# Altium PCB Adafruit Feather STM32F405 Express.PcbDoc
Units mil, origin at the board's own origin, x right, y up, seen from the top; angles counter-clockwise.
Board outline 2000 x 900 mil, 2 copper layers (Top, Bottom); 61 components, 62 nets, 270 pads, 83 vias.
Unrouted connection lines stored in the file: 1.
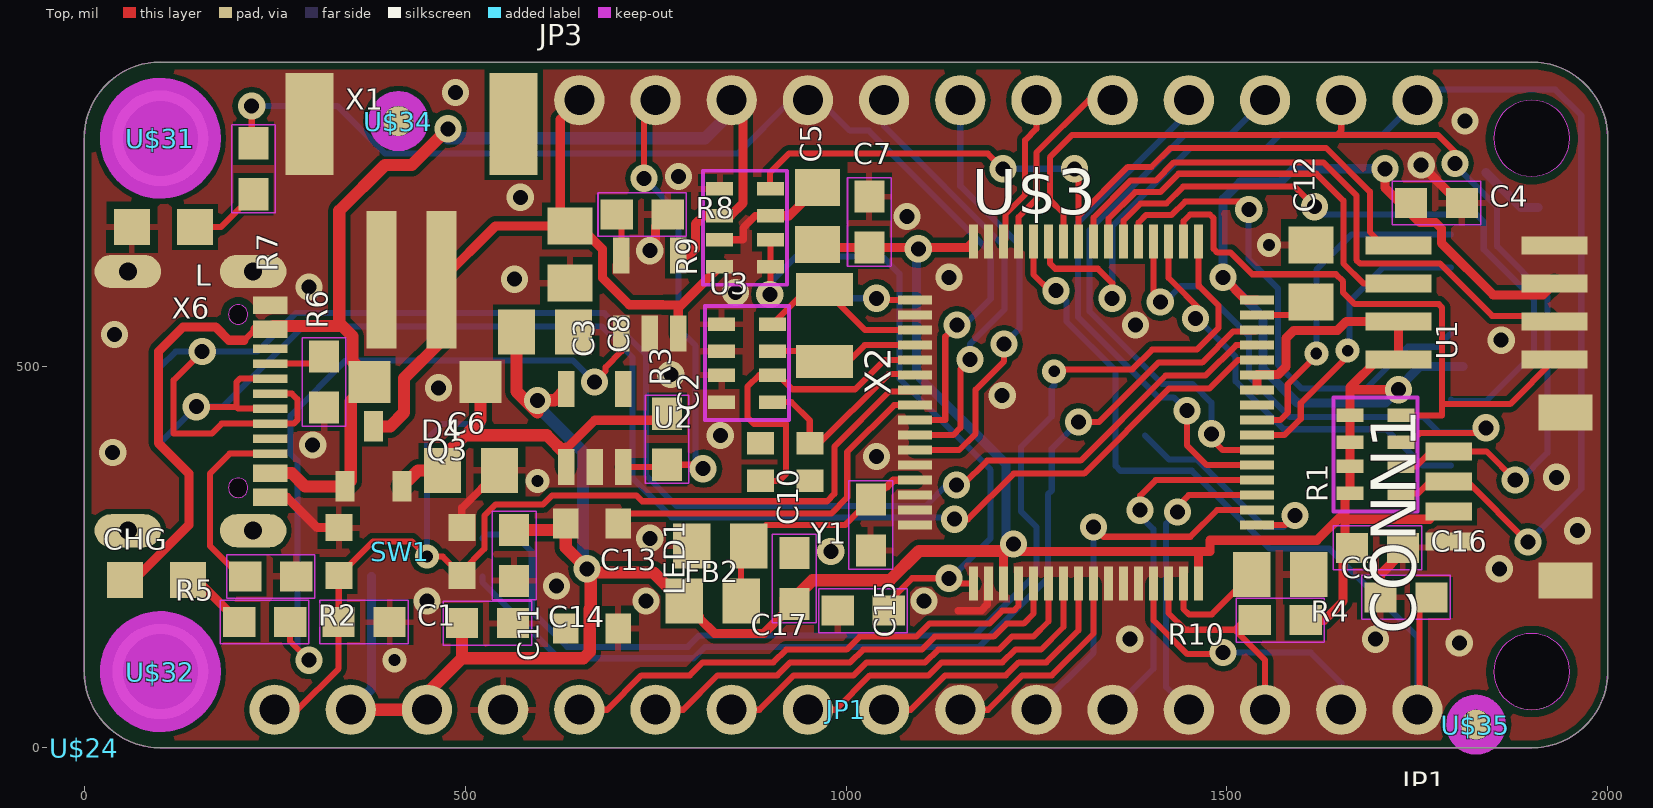
[diagram p0: Top view]
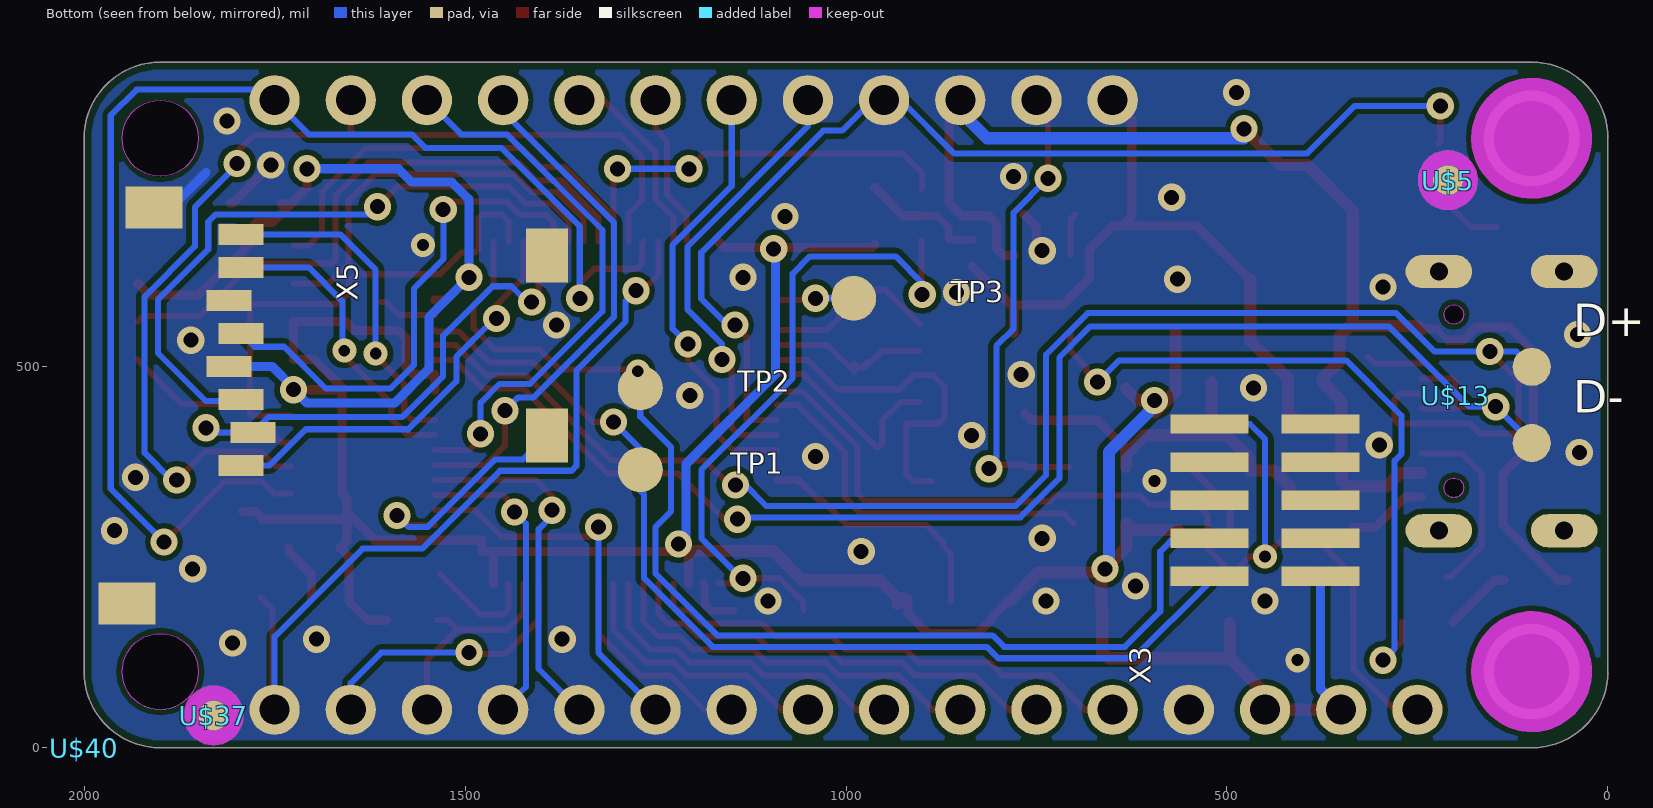
[diagram p1: Bottom view, seen from below]

## Layer stack, top to bottom
Top Solder: solder mask 0.4, Solder Resist, Dk 3.5
Top: signal copper 1.378
Dielectric 1: dielectric 12.6, FR-4, Dk 4.8
Bottom: signal copper 1.378
Bottom Solder: solder mask 0.4, Solder Resist, Dk 3.5

## Board outline
0,100 ccw(c100,100) 100,0 1900,0 ccw(c1900,100) 2000,100 2000,800 ccw(c1900,800) 1900,900 100,900 ccw(c100,800) 0,800
cut-out: 1900,50 ccw(c1900,100) 1950,100 ccw(c1900,100) 1900,150 ccw(c1900,100) 1850,100 ccw(c1900,100)
cut-out: 1900,750 ccw(c1900,800) 1950,800 ccw(c1900,800) 1900,850 ccw(c1900,800) 1850,800 ccw(c1900,800)
cut-out: 202.24,555.99 ccw(c202.24,568.78) 215.03,568.78 ccw(c202.24,568.78) 202.24,581.58 ccw(c202.24,568.78) 189.44,568.78 ccw(c202.24,568.78)
cut-out: 202.24,328.43 ccw(c202.24,341.22) 215.03,341.22 ccw(c202.24,341.22) 202.24,354.01 ccw(c202.24,341.22) 189.44,341.22 ccw(c202.24,341.22)

## Design rules (kind name [scope] priority, off if disabled: settings)
BoardOutlineClearance mdCopperDimension [All] p1: gap=10 ignorepadtopadclearanceinfootprint=FALSE except(0: Arc-SplitContinuation Track-SplitContinuation SMDPad-SplitContinuation THPad-SplitContinuation Via-SplitContinuation Fill-SplitContinuation Poly-SplitContinuation Region-SplitContinuation Text-SplitContinuation)
Clearance "Clearance (Same Net)" [All] p1: gap=7 ignorepadtopadclearanceinfootprint=FALSE
Clearance [All] p2: gap=7 ignorepadtopadclearanceinfootprint=FALSE
HoleSize HoleSize_For_NetClass_gnd [InNetClass('gnd')] p1: absolutevalues=TRUE maxlimit=0 minlimit=0 maxpercent=80.000 minpercent=20.000
HoleSize HoleSize_For_NetClass_power [InNetClass('power')] p2: absolutevalues=TRUE maxlimit=0 minlimit=0 maxpercent=80.000 minpercent=20.000
HoleSize [All] p3: absolutevalues=TRUE maxlimit=100000 minlimit=15.5 maxpercent=80.000 minpercent=20.000
HoleToHoleClearance mdDrill [All] p1: gap=8 allowstackedmicrovias=TRUE
MinimumSolderMaskSliver [All] p1 off: minsoldermaskwidth=10
PasteMaskExpansion Expansion_SMDPaste_OFF [InPadClass('SMDPaste_OFF')] p1: expansion=0
PasteMaskExpansion mlMinCreamFrame [All] p2: expansion=0
PolygonConnect PolygonConnect_For_PolygonThermal_ON_Width80000_Gap100000 [InPolygonClass('PolygonThermal_ON_Width80000_Gap100000') vs Not IsVia] p1: connectstyle=Relief reliefconductorwidth=8 reliefentries=4 polygonreliefangle="90 Angle" airgapwidth=10
PolygonConnect ThermalVias [IsVia] p2: connectstyle=Direct reliefconductorwidth=10 reliefentries=4 polygonreliefangle="90 Angle" airgapwidth=10
PolygonConnect [All] p3: connectstyle=Relief reliefconductorwidth=10 reliefentries=4 polygonreliefangle="90 Angle" airgapwidth=10
RoutingVias [All] p1: holewidth=15.5 width=31.5 viastyle="Through Hole" minholewidth=15.5 minwidth=31.5 maxholewidth=100 maxwidth=100
SolderMaskExpansion mlMinStopFrame [All] p1: expansion=2 istentingtop=FALSE
Width Width_For_NetClass_gnd [InNetClass('gnd')] p1: maxlimit=10 minlimit=10 preferedwidth=10
Width Width_For_NetClass_power [InNetClass('power')] p2: maxlimit=24 minlimit=10 preferedwidth=12
Width [All] p3: maxlimit=10 minlimit=8 preferedwidth=8
26 further rules are at their usual default settings.

## Classes and differential pairs
polygon class PolygonThermal_ON_Width80000_Gap100000: Polygon_1_Net_GND Polygon_2_Net_GND
pad class SMDPaste_OFF: D+-TP D--TP TP1-P$1 TP2-P$1 TP3-P$1 U$3-1 U$3-2 U$3-3 U$3-4 U$3-5 U$3-6 U$3-7 U$3-8 U$3-9 U$3-10 U$3-11 U$3-12 U$3-13 U$3-14 U$3-15 U$3-16 U$3-17 U$3-18 U$3-19 U$3-20 U$3-21 U$3-22 U$3-23 U$3-24 U$3-25 U$3-26 U$3-27 U$3-28 U$3-29 U$3-30 U$3-31 U$3-32 U$3-33 U$3-34 U$3-35 U$3-36 U$3-37 U$3-38 U$3-39 U$3-40 U$3-41 U$3-42 U$3-43 U$3-44 U$3-45 U$3-46 U$3-47 U$3-48 U$3-49 U$3-50 U$3-51 U$3-52 U$3-53 U$3-54 U$3-55 U$3-56 U$3-57 U$3-58 U$3-59 U$3-60 U$3-61 U$3-62 U$3-63 U$3-64 U$5-1 U$34-1 U$35-1 U$37-1
net class gnd: GND
net class power: +3V3 VBAT VBUS

## Components (designator, comment, footprint, x,y, rotation, side; value= is the part's Value field where it differs from the comment)
C1 "0.1uF" 0603-NO 367.5,165 r0 top
C2 "22pF" RESPACK_4X0603 870,505 r90 top
C3 "10µF" 0805-NO 637.5,647.5 r270 top
C4 "1uF" 0603-NO 1775,715 r0 top
C5 "10uF" 0805-NO 962.5,698 r90 top
C6 "10µF" 0805-NO 507.7,364.07 r0 top
C7 "1uF" 0603-NO 1030.67,690.01 r90 top
C8 "10µF" 0805-NO 604.86,545.59 r0 top
C9 "10µF" 0805-NO 1570,227.5 r0 top
C10 "1uF" 0603-NO 932.2,222.2 r90 top
C11 "1uF" 0603-NO 564.5,252.5 r270 top
C12 "10µF" 0805-NO 1610,622.5 r90 top
C13 "10µF" 0805-NO 835,265 r180 top
C14 "1uF" 0603-NO 529.5,163.55 r0 top
C15 "0.1uF" 0603-NO 1032.5,292.5 r270 top
C16 "1uF" 0603-NO 1697.5,262.5 r0 top
C17 "1uF" 0603-NO 1022.5,180 r180 top
CHG "ORANGE" CHIPLED_0805_NOOUTLINE 95,220 r270 top
CONN1 "" JST_SH4 1890,330 r90 top
D4 "MBR054" SOD-123 447.5,480 r180 top
D+ "TPB1,27" B1,27 100,500 r180 bottom
D- "TPB1,27" B1,27 100,400 r180 bottom
FB2 "ferrite" 0805-NO 825,192.5 r0 top
JP1 "" 1X16_ROUND 1000,50 r180 top
JP3 "" 1X12_ROUND 1200,850 r0 top
L "RED" CHIPLED_0805_NOOUTLINE 104.13,683.43 r90 top
LED1 "WS2812B3535" LED3535 666.5,225.5 r270 top
Q3 "DMG3405" SOT23-R 380,382.5 r0 top
R1 "10K" RESPACK_4X0603_NO 1695,385 r90 top
R2 "1K" 0603-NO 237,165 r0 top
R3 "10K" 0603-NO 765,405 r90 top
R4 "100K" 0603-NO 1735,197.5 r180 top
R5 "5.1K" 0603-NO 245,225 r180 top
R6 "5.1K" 0603-NO 315,480 r90 top
R7 "2.2K" 0603-NO 222.5,760 r270 top
R8 "5.1K" 0603-NO 732.5,700 r0 top
R9 "100K" RESPACK_4X0603_NO 867.5,682.5 r90 top
R10 "100K" 0603-NO 1570,167.5 r180 top
SW1 "" BTN_KMR2_4.6X2.8 415,257.5 r180 top
TP1 "" TESTPOINT_ROUND_1.5MM 1270,365 r180 bottom
TP2 "" TESTPOINT_ROUND_1.5MM 1270,472.5 r180 bottom
TP3 "" TESTPOINT_ROUND_1.5MM 990,590 r180 bottom
U1 "25Q16" SOIC8_150MIL 1827.5,584.5 r90 top
U2 "AP2112-3.3" SOT23-5 670,420 r0 top
U3 "MCP73831T-2ACI/OT" SOT23-5 742.5,595 r0 top
U$3 "STM32F405R" TQFP64 1315,440 r0 top
U$5 "" FIDUCIAL_1MM 210,745 r180 bottom
U$13 "" PCBFEAT-REV-040 200,462.5 r180 bottom
U$24 "" FEATHER_STM32F405_TOP 0,0 r0 top
U$31 "" MOUNTINGHOLE_2.5_PLATED 100,800 r270 top
U$32 "" MOUNTINGHOLE_2.5_PLATED 100,100 r270 top
U$34 "" FIDUCIAL_1MM 412.5,822.5 r270 top
U$35 "" FIDUCIAL_1MM 1826.86,30.28 r270 top
U$37 "" FIDUCIAL_1MM 1830,42.5 r180 bottom
U$40 "" FEATHER_STM32F405_BOT 2000,0 r180 bottom
X1 "JSTPH" JSTPH2 430,760 r0 top
X2 "32.768" XTAL3215 972,554 r90 top
X3 "" 2X05_1.27MM_SMT 450,325 r90 bottom
X5 "" MICROSD 1375,725 r270 bottom
X6 "" USB_C_CUSB31-CFM2AX-01-X 105,455 r270 top
Y1 "12mhz" CRYSTAL_2.5X2 920,375 r180 top

## Footprints (in the part's own frame and the unit in brackets; to place one, negate y for a bottom-side part, rotate by r counter-clockwise, add the part's x,y. Pads: shape width x height; smd on the part's side, far side on the other; paste and mask are expansions set on the pad)
1X12_ROUND [mil] "1X12_ROUND"
  round 66 hole 39.37: 1(-550,0) 2(-450,0) 3(-350,0) 4(-250,0) 5(-150,0) 6(-50,0) 7(50,0) 8(150,0) 9(250,0) 10(350,0) 11(450,0) 12(550,0)
  body extent -604,-33 583,33, height 150
1X16_ROUND [mil] "1X16_ROUND"
  round 66 hole 39.37: 1(-750,0) 2(-650,0) 3(-550,0) 4(-450,0) 5(-350,0) 6(-250,0) 7(-150,0) 8(-50,0) 9(50,0) 10(150,0) 11(250,0) 12(350,0) 13(450,0) 14(550,0) 15(650,0) 16(750,0)
  body extent -804,-33 783,33, height 150
2X05_1.27MM_SMT [mm] "2X05_1.27MM_SMT"
  rect 0.65x2.6 smd: 1(-2.54,-1.85) 2(-2.54,1.85) 3(-1.27,-1.85) 4(-1.27,1.85) 5(0,-1.85) 6(0,1.85) 7(1.27,-1.85) 8(1.27,1.85) 9(2.54,-1.85) 10(2.54,1.85)
  body extent -2.86,-3.15 2.86,3.15, height 1.27
0603-NO [mm] "0603-NO"
  rect 1.075x1 smd: 1(-0.85,0) 2(0.85,0)
  Top keep-out lines w0.051: -1.473,-0.729 -1.473,0.729 1.473,0.729 1.473,-0.729 -1.473,-0.729
  body extent -1.5,-0.76 1.5,0.76, height 3.81
0805-NO [mil] "0805-NO"
  rect 48.82x59.06 smd: 1(-37.4,0) 2(37.4,0)
  body extent -62,-30 62,30, height 150
B1,27 [mil] "B1,27"
  rrect100% 50x50 smd paste+0: TP(0,0)
  body extent -25,-25 25,25, height 50
BTN_KMR2_4.6X2.8 [mil] "BTN_KMR2_4.6X2.8"
  rect 35.43x35.43 smd: A(80.71,31.5) A'(-80.71,31.5) B(80.71,-31.5) B'(-80.71,-31.5)
  body extent -98,-59 98,59, height 150
CHIPLED_0805_NOOUTLINE [mil] "CHIPLED_0805_NOOUTLINE"
  rect 47.24x47.24 smd: A(0,-41.34) C(0,41.34)
  body extent -25,-65 25,65, height 150
CRYSTAL_2.5X2 [mm] "CRYSTAL_2.5X2"
  rect 0.9x0.75 smd: 1(-0.825,-0.625) 2(0.825,-0.625) 3(0.825,0.625) 4(-0.825,0.625)
  body extent -1.32,-1.07 1.32,1.07, height 3.81
FEATHER_STM32F405_BOT [mil] "FEATHER_STM32F405_BOT"
FEATHER_STM32F405_TOP [mil] "FEATHER_STM32F405_TOP"
FIDUCIAL_1MM [mm] "FIDUCIAL_1MM"
  rrect100% 1x1 smd paste+0: 1(0,0)
  Top keep-out lines w0.5: 0.75,0 cw(c0,0) 0,-0.75 ; 0.75,0 ccw(c0,0) 0,0.75 ; 0.75,0 cw(c0,0) 0,-0.75 ; 0.75,0 ccw(c0,0) 0,0.75 ; 0,-0.75 cw(c0,0) -0.75,0 ; 0,-0.75 cw(c0,0) -0.75,0 ; 0,0.75 ccw(c0,0) -0.75,0 ; 0,0.75 ccw(c0,0) -0.75,0
  body extent -1.01,-1.01 1.01,1.01, height 3.81
JST_SH4 [mil] "JST_SH4"
  rect 23.62x61.02 smd: 1(-59.06,98.98) 2(-19.69,98.98) 3(19.69,98.98) 4(59.06,98.98)
  rect 47.24x70.87 smd: MT1(-110.24,-54.57) MT2(110.24,-54.57)
  body extent -134,-90 134,129, height 150
JSTPH2 [mm] "JSTPH2"
  rect 1x4.6 smd: 1(-1,-3.7) 2(1,-3.7)
  rect 1.6x3.4 smd: NC1(-3.4,1.5) NC2(3.4,1.5)
  body extent -4.2,-6 4.2,3.2, height 3.81
LED3535 [mm] "LED3535"
  rect 1x0.85 smd: 1(-1.75,0.875) 2(-1.75,-0.875) 3(1.75,-0.875) 4(1.75,0.875)
  body extent -2.25,-1.82 2.25,1.82, height 3.81
MICROSD [mm] "MICROSD"
  rect 0.7x1.5 smd: 1(9,-10.64) 2(7.9,-10.24) 3(6.8,-10.64) 4(5.7,-11.04) 5(4.6,-10.64) 6(3.5,-11.04) 7(2.4,-10.64) 8(1.3,-10.64)
  rect 1.8x1.4 smd: CD1(2,-0.44) CD2(8,-0.44)
  rect 1.4x1.9 smd: MT1(0.4,-13.54) MT2(13.6,-14.44)
  body extent -0.3,-15.39 14.3,0.26, height 1.27
MOUNTINGHOLE_2.5_PLATED [mil] "MOUNTINGHOLE_2.5_PLATED"
  round 125.98 hole 98.43: P$1(0,0)
  Top keep-out circle w80: c0,0 r39.37
  Top keep-out circle w80: c0,0 r39.37
  Bottom keep-out circle w80: c0,0 r39.37
  Bottom keep-out circle w80: c0,0 r39.37
  body extent -80,-80 80,80, height 150
PCBFEAT-REV-040 [mil] "PCBFEAT-REV-040"
RESPACK_4X0603 [mil] "RESPACK_4X0603"
  rect 17.72x35.43 smd: 1(-51.18,-33.46) 2(-15.75,-33.46) 3(15.75,-33.46) 4(51.18,-33.46) 5(51.18,33.46) 6(15.75,33.46) 7(-15.75,33.46) 8(-51.18,33.46)
  Top keep-out lines w5: -74.8,55.12 -74.8,-55.12 74.8,-55.12 74.8,55.12 -74.8,55.12
  body extent -78,-58 78,58, height 150
RESPACK_4X0603_NO [mil] "RESPACK_4X0603_NO"
  rect 17.72x35.43 smd: 1(-51.18,-33.46) 2(-15.75,-33.46) 3(15.75,-33.46) 4(51.18,-33.46) 5(51.18,33.46) 6(15.75,33.46) 7(-15.75,33.46) 8(-51.18,33.46)
  Top keep-out lines w5: -74.8,55.12 -74.8,-55.12 74.8,-55.12 74.8,55.12 -74.8,55.12
  body extent -78,-58 78,58, height 150
SOD-123 [mil] "SOD-123"
  rect 55.12x55.12 smd: A(72.83,0) C(-72.83,0)
  body extent -100,-32 100,32, height 150
SOIC8_150MIL [mil] "SOIC8_150MIL"
  rect 23.62x86.61 smd: 1(-75,-102.36) 2(-25,-102.36) 3(25,-102.36) 4(75,-102.36) 5(75,102.36) 6(25,102.36) 7(-25,102.36) 8(-75,102.36)
  body extent -99,-146 99,146, height 150
SOT23-5 [mil] "SOT23-5"
  rect 21.65x47.24 smd: 1(-37.4,-51.19) 2(0,-51.19) 3(37.4,-51.19) 4(37.4,51.19) 5(-37.4,51.19)
  body extent -60,-75 60,75, height 150
SOT23-R [mil] "SOT23-R"
  rect 25x40 smd: 1(-37.4,-39.37) 2(37.4,-39.37) 3(0,39.37)
  body extent -66,-59 66,59, height 150
TESTPOINT_ROUND_1.5MM [mil] "TESTPOINT_ROUND_1.5MM"
  rrect100% 59.06x59.06 smd paste+0: P$1(0,0)
  body extent -30,-30 30,30, height 50
TQFP64 [mil] "TQFP64"
  rect 45x12 smd paste+0: 1(-224.41,147.64) 2(-224.41,127.95) 3(-224.41,108.27) 4(-224.41,88.58) 5(-224.41,68.9) 6(-224.41,49.21) 7(-224.41,29.53) 8(-224.41,9.84) 9(-224.41,-9.84) 10(-224.41,-29.53) 11(-224.41,-49.21) 12(-224.41,-68.9) 13(-224.41,-88.58) 14(-224.41,-108.27) 15(-224.41,-127.95) 16(-224.41,-147.64) 33(224.41,-147.64) 34(224.41,-127.95) 35(224.41,-108.27) 36(224.41,-88.58) 37(224.41,-68.9) 38(224.41,-49.21) 39(224.41,-29.53) 40(224.41,-9.84) 41(224.41,9.84) 42(224.41,29.53) 43(224.41,49.21) 44(224.41,68.9) 45(224.41,88.58) 46(224.41,108.27) 47(224.41,127.95) 48(224.41,147.64)
  rect 12x45 smd paste+0: 17(-147.64,-224.41) 18(-127.95,-224.41) 19(-108.27,-224.41) 20(-88.58,-224.41) 21(-68.9,-224.41) 22(-49.21,-224.41) 23(-29.53,-224.41) 24(-9.84,-224.41) 25(9.84,-224.41) 26(29.53,-224.41) 27(49.21,-224.41) 28(68.9,-224.41) 29(88.58,-224.41) 30(108.27,-224.41) 31(127.95,-224.41) 32(147.64,-224.41) 49(147.64,224.41) 50(127.95,224.41) 51(108.27,224.41) 52(88.58,224.41) 53(68.9,224.41) 54(49.21,224.41) 55(29.53,224.41) 56(9.84,224.41) 57(-9.84,224.41) 58(-29.53,224.41) 59(-49.21,224.41) 60(-68.9,224.41) 61(-88.58,224.41) 62(-108.27,224.41) 63(-127.95,224.41) 64(-147.64,224.41)
  body extent -248,-248 248,248, height 150
USB_C_CUSB31-CFM2AX-01-X [mil] "USB_C_CUSB31-CFM2AX-01-X"
  rect 22.64x45.28 smd: A1B12(-125.98,139.57) A4B9(-94.49,139.57) B1A12(125.98,139.57) B4A9(94.49,139.57)
  rect 10.83x45.28 smd: A5(-49.21,139.57) A6(-9.84,139.57) A7(9.84,139.57) A8(49.21,139.57) B5(68.9,139.57) B6(29.53,139.57) B7(-29.53,139.57) B8(-68.9,139.57)
  oval 43.62x87.24 hole 23.62: M1(-170.08,116.93) M2(170.08,116.93) M3(-170.08,-47.64) M4(170.08,-47.64)
  body extent -192,-151 192,162, height 150
XTAL3215 [mil] "XTAL3215"
  rect 43.31x74.8 smd: P$1(47.24,0) P$2(-47.24,0)
  body extent -69,-37 69,37, height 50

## Part data
C1 C4 C7 C10 C11 C14 C15 C16 C17 R2 R3 R4 R5 R6 R7 R8 R10: library part 0603-NO, PackageName=0603-NO
C2: library part RESPACK_4X0603, PackageName=RESPACK_4X0603
C3 C5 C6 C8 C9 C12 C13 FB2: library part 0805-NO, PackageName=0805-NO
CHG L: library part CHIPLED_0805_NOOUTLINE, PackageName=CHIPLED_0805_NOOUTLINE
CONN1: library part JST_SH4, PackageName=JST_SH4
D4: library part SOD-123, PackageName=SOD-123
D+ D-: library part B1,27, PackageName=B1,27
JP1: library part 1X16_ROUND, PackageName=1X16_ROUND
JP3: library part 1X12_ROUND, PackageName=1X12_ROUND
LED1: library part LED3535, PackageName=LED3535
Q3: library part SOT23-R, PackageName=SOT23-R
R1 R9: library part RESPACK_4X0603_NO, PackageName=RESPACK_4X0603_NO
SW1: library part BTN_KMR2_4.6X2.8, PackageName=BTN_KMR2_4.6X2.8
TP1 TP2 TP3: library part TESTPOINT_ROUND_1.5MM, PackageName=TESTPOINT_ROUND_1.5MM
U1: library part SOIC8_150MIL, PackageName=SOIC8_150MIL
U2 U3: library part SOT23-5, PackageName=SOT23-5
U$3: library part TQFP64, PackageName=TQFP64
U$5 U$34 U$35 U$37: library part FIDUCIAL_1MM, PackageName=FIDUCIAL_1MM
U$13: library part PCBFEAT-REV-040, PackageName=PCBFEAT-REV-040
U$24: library part FEATHER_STM32F405_TOP, PackageName=FEATHER_STM32F405_TOP
U$31 U$32: library part MOUNTINGHOLE_2.5_PLATED, PackageName=MOUNTINGHOLE_2.5_PLATED
U$40: library part FEATHER_STM32F405_BOT, PackageName=FEATHER_STM32F405_BOT
X1: library part JSTPH2, PackageName=JSTPH2
X2: library part XTAL3215, PackageName=XTAL3215
X3: library part 2X05_1.27MM_SMT, PackageName=2X05_1.27MM_SMT
X5: library part MICROSD, PackageName=MICROSD
X6: library part USB_C_CUSB31-CFM2AX-01-X, PackageName=USB_C_CUSB31-CFM2AX-01-X
Y1: library part CRYSTAL_2.5X2, PackageName=CRYSTAL_2.5X2

## Free pads (board coordinates)
  round 25.59 hole 25.59 unplated: MH1(202.24,341.22) MH2(202.24,568.78)
  round 100 hole 100 unplated: MH1(1900,800) MH2(1900,100)

## Via types
v1: diameter 35.69/35.69 (per signal layer), hole 19.69, Top to Bottom, 76 vias
v2: diameter 31.5/31.5 (per signal layer), hole 15.5, Top to Bottom, 5 vias
v3: diameter 31.75/31.75 (per signal layer), hole 15.75, Top to Bottom, 2 vias

## Nets (pads, with @x,y where several pads share a name; then routed paths per layer and width w, separated by ;. In a path a pad name is that pad's centre, name@x,y a point inside that pad or via, vN(x,y) a via of type N, cw(c..) or ccw(c..) an arc to the next point about the centre after c; other vN are vias at no path point)
!RESET: C1.1 JP1.16 SW1.A SW1.A' U$3.7 X3.10 | length 1429.3
  Top w8: JP1.16 280,50 334.04,104.04 C1.1 334.29,165.26 SW1.A 379.29,271 430,271 v2(450,251) 470.71,251 SW1.A' 495.71,231.26 525.43,260.98 525.43,304.71 539.84,319.13 602.13,319.13 614.09,331.08 725.15,331.08 732.6,323.63 975.17,323.63 984.7,333.16 984.7,395.34 1057.1,467.75 1088.81,467.75 U$3.7
  Bottom w8: v2(450,251) 450,405 470,425 X3.10
+3V3: C4.1 C5.1 C7.1 C8.1 C10.1 C11.1 C14.1 C16.1 CONN1.2 FB2.1 JP1.14 JP1.15 LED1.2 R1.5 R1.6 R1.7 R1.8 R10.1 U1.3 U1.7 U1.8 U2.5 U$3.19 U$3.32 U$3.42 U$3.43 U$3.48 U$3.64 X3.1 X5.4 | length 5302.4
  Top w12: v1@595,440 v1(595,455.66) ; FB2.1@786.3,191.2 FB2.1 807.55,172.55 807.55,170.05 827.63,149.97 892.2,149.97 918.67,176.45 918.67,196.27 C10.1@924.66,196.27 ; C5.1 966.56,656.54 1030.67,656.54 v1@1093.3,656.54 ; v1(1094.84,655) v1@1093.3,656.54 ; U$3.64 1159.5,656.54 v1@1093.3,656.54 ; U$3.19 1206.73,257.5 1210,257.5 v1(1220,267.5) ; v1@1210.77,258.27 v1(1220,267.5) ; U$3.32 1462.64,257.5 ; v1(1495,617.5) 1524.86,587.64 U$3.48 ; U$3.42 U$3.43 1540.09,489.9 1567.29,489.9 1577.5,500.1 1577.5,537.5 1587.69,547.69 1644.91,547.69 1656.72,559.5 U1.7 U1.8 1697.91,509.5 1661.54,473.13 R1.5 ; R10.1 1627.5,167.5 1652.5,192.5 1652.5,250.96 C16.1 1655,271.54 1655,300 ; v1(1707.5,760) 1707.5,735 C4.1@1728.75,713.75 ; v1(1725.35,470) 1661.54,470 R1.5 ; C4.1 1740.29,713.75 C4.1@1728.75,713.75 ; CONN1.2 1776.02,310.32 1765.71,300 1655,300 ; U1.3 1914.86,594.5 1849.44,594.5 1781.44,662.5 1781.44,681.7 1773.83,689.31 1753.19,689.31 C4.1@1728.75,713.75 ; v1(1220,267.5) 1230,257.5 1462.64,257.5 ; 1462.64,257.5 1477.64,257.5 1477.64,272.5 1618.07,272.5 1650.29,304.71 1655,300 ; 1655,300 1655,327.28 R1.8 R1.7 R1.6 R1.5
  Top w16: JP1.15 JP1.14 456.04,50 456.04,77.5 496.04,117.5 ; C14.1 496.04,117.5 ; C11.1 623.62,285.96 LED1.2 632.05,262.95 v1(660,235) v1@665,230 ; C8.1 567.46,467.54 v1@595,440 ; v1(595,455.66) 594.47,456.19 617.6,456.19 U2.5 ; FB2.1@786.3,191.2 747.5,230 v1@665,230 ; C10.1@924.66,196.27 C10.1 932.2,196.23 955.96,220 1057.5,220 1095.77,258.27 v1@1210.77,258.27 ; 496.04,117.5 655.58,117.5 663.78,125.7 663.78,182.07 665,183.28 v1@665,230
  Bottom w12: JP1.15 377.17,77.17 X3.1 ; v1(1094.84,655) 1092.34,652.5 1092.34,490.16 1210,372.5 1210,277.5 v1(1220,267.5) ; v1(1707.5,760) 1587.5,760 1570,742.5 1517.5,742.5 1495,720 v1(1495,617.5) 1547.5,565 1547.5,497.47 1592.47,452.5 1707.85,452.5 v1(1725.35,470) 1724.1,471.25 1753.44,500.59 X5.4
  Bottom w16: v1(595,455.66) 595,448.16 655,388.16 655,240 v1(660,235)
A0: JP1.12 U$3.20 | length 662.1
  Top w8: JP1.12 686.36,50 731.36,95 795,95 812,112 904.5,112 921.5,129 1000.92,129 1017.92,146 1092.33,146 1109.33,163 1188,163 1205,180 1220,180 1226.42,186.42 U$3.20
A1: JP1.11 U$3.21 | length 587.8
  Top w8: JP1.11 786.36,50 831.36,95 909.82,95 926.82,112 1005.46,112 1022.46,129 1099.37,129 1116.37,146 1193.69,146 1210.69,163 1233,163 1246.1,176.1 U$3.21
A2: JP1.10 U$3.22 | length 513.6
  Top w8: JP1.10 886.36,50 931.36,95 1010,95 1027,112 1103.92,112 1120.92,129 1200.73,129 1217.73,146 1246,146 1265.79,165.79 U$3.22
A3: JP1.9 U$3.23 | length 437.5
  Top w8: JP1.9 986.36,50 1031.36,95 1108.46,95 1125.46,112 1205.28,112 1222.28,129 1255.92,129 1285.47,158.56 U$3.23
A4: JP1.8 U$3.24 | length 359.7
  Top w8: JP1.8 1085,50 1130,95 1209.82,95 1226.82,112 1262.96,112 1305.16,154.2 U$3.24
A5: JP1.7 U$3.25 | length 281.9
  Top w8: JP1.7 1186.36,50 1231.36,95 1270,95 1324.84,149.84 U$3.25
AVCC: C13.1 C15.1 FB2.2 U$3.13 | length 333.5
  Top w8: FB2.2 862.4,255 C13.1 872.4,269.9 895,292.5 999.04,292.5 C15.1 1036.91,325.96 1053.97,343.02
  Top w10: 1053.97,343.02 1062.36,351.42 U$3.13
BATTERY: TP3.P$1 U$3.1 | length 101.6
  Top w8: v1(1040,590) 1042.36,587.64 U$3.1
  Bottom w8: TP3.P$1 v1(1040,590)
BOOT0: JP1.1 R4.1 U$3.60 | length 1083.9
  Top w8: U$3.60 1246.1,621.1 1267.26,599.94 v1(1275.54,599.94) ; JP1.1 1752.5,52.5 1752.5,181.54 R4.1
  Bottom w8: v1(1275.54,599.94) 1289.38,586.1 1289.38,559.4 1353.76,495.02 1353.76,370.05 1360.21,363.61 1453.89,363.61 1556.16,261.34 1634.45,261.34 1750,145.79 JP1.1
CC1: R6.2 X6.A5 | length 74.3
  Top w8: X6.A5 305.75,504.21 R6.2
CC2: R5.2 X6.B5 | length 248.5
  Top w8: R5.2 205,225 165,265 165,360 191.1,386.1 X6.B5
D5: JP3.10 U$3.38 | length 730.6
  Top w8: v1(1479.6,412.1) 1479.6,405.6 1494.41,390.79 U$3.38
  Bottom w8: v1(1479.6,412.1) 1479.6,452.9 1455,477.5 1415,477.5 1319.6,572.9 1319.6,679.6 1445,805 1505,805 JP3.10
D6: JP3.9 U$3.37 | length 687
  Top w8: v1(1447.5,442.5) 1447.5,397 1473.4,371.1 U$3.37
  Bottom w8: v1(1447.5,442.5) 1430,460 1410,460 1304.38,565.62 1304.38,689.38 1450,835 JP3.9
D8_NEOPIX: LED1.1 U$3.8 | length 489
  Top w8: LED1.1 714.05,307.5 980.58,307.5 1001.7,328.62 1001.7,388.3 1063.24,449.84 U$3.8
D9: JP3.8 U$3.61 | length 255.1
  Top w8: U$3.61 1226.42,696.42 1250,720 1250,781.36 1318.64,850 JP3.8
D10: JP3.7 U$3.62 | length 203.5
  Top w8: U$3.62 1209.42,667.09 1209.42,700.63 1235,726.21 1235,797.5 1250,812.5 JP3.7
D11: JP3.6 U$3.11 | length 581.8
  Top w8: U$3.11 1148.29,390.79 1170,412.5 1170,470 1207.5,507.5 v1(1207.5,530)
  Bottom w8: JP3.6 1150,737.5 1227.5,660 1227.5,550 v1(1207.5,530)
D12: JP3.5 U$3.10 | length 583
  Top w8: U$3.10 1140.79,410.47 1150.16,419.84 1150.16,497.34 v1(1162.66,509.84)
  Bottom w8: JP3.5 1050,815.96 1208,657.96 1208,575.18 1162.66,529.84 v1(1162.66,509.84)
D13: JP3.4 R7.1 U$3.9 | length 1447.9
  Top w8: v1(220,842.5) 220,795.96 R7.1 ; U$3.9 1130.32,430.16 1130.32,539.72 v1(1145.66,555.07)
  Bottom w8: v1(220,842.5) 332.5,842.5 395,780 857.8,780 927.8,850 JP3.4 965,850 1005,810 1030,810 1190,650 1190,589.41 1155.66,555.07 v1(1145.66,555.07)
D+: D+.TP U$3.45 X6.A6 X6.B6 | length 2112.4
  Top w8: v1(155,520) 117.5,482.5 117.5,412.5 167.5,412.5 180.47,425.47 X6.B6 275.47,425.47 280,430 280,457.5 272.66,464.84 X6.A6 ; v1(1145,345) 1153.2,345 1185.2,377 1307.96,377 1419.36,488.4 1471.72,488.4 1511.91,528.58 U$3.45
  Bottom w8: D+.TP 120,520 v1(155,520) 227.5,520 278,570.5 683,570.5 737.5,516 737.5,357.5 777.5,317.5 1105,317.5 1132.5,345 v1(1145,345)
D-: D-.TP U$3.44 X6.A7 X6.B7 | length 1964.6
  Top w8: v1(147.25,447.75) 147.5,447.5 200,447.5 ; X6.A7 202.34,445.16 200,447.5 ; X6.B7 204.53,484.53 200,480 200,447.5 ; v1(1142.5,300) 1160,300 1220,360 1312.5,360 1423.9,471.4 1476.91,471.4 1514.41,508.9 U$3.44
  Bottom w8: D-.TP 100,400.5 v1(147.25,447.75) 182.25,447.75 287.5,553 679.29,553 720,512.29 720,353.79 771.29,302.5 1140,302.5 v1(1142.5,300)
EN: JP3.2 R3.1 U2.3 | length 630.4
  Top w8: U2.3 762.28,368.82 R3.1 807.31,371.54 v1(812.5,366.34) ; v1(735,747.5) 735,835 JP3.2
  Bottom w8: v1(735,747.5) 780,702.5 780,550 802.5,527.5 802.5,376.34 v1(812.5,366.34)
FLASH_CS: R1.4 U1.1 U$3.50 | length 819.7
  Top w8: U$3.50 1442.95,691.22 1451.69,699.96 1477.54,699.96 1482.5,695 1482.5,655 1487.5,650 1504.7,650 1533.2,621.51 1643.08,621.51 1652.5,612.09 1652.5,597.5 1667.69,582.31 1778,582.31 1782.5,577.81 1782.5,451.18 ; R1.4 1782.5,436.18 1782.5,451.18 ; U1.1 1871.54,451.18 1782.5,451.18
FLASH_MISO: U1.2 U$3.56 | length 802.9
  Top w8: U$3.56 1324.84,695.94 1373.31,744.41 1406.28,744.41 1430.33,768.46 1626.54,768.46 1669.83,725.17 1669.83,640.22 1674.36,635.69 1779.31,635.69 1848,567 1922.36,567 U1.2
FLASH_MOSI: R9.4 U1.5 U$3.57 | length 1079.3
  Top w8: R9.4 900,734.65 900,755 925,780 1186.16,780 v1(1206.16,760) ; v1(1300,760) 1305.16,754.84 1305.16,697.66 ; U$3.57 1305.16,697.66 ; U1.5 1705.14,659.5 1687.64,677 1687.64,729.86 1630,787.5 1425.96,787.5 1400.96,762.5 1370,762.5 1305.16,697.66
  Bottom w8: v1(1206.16,760) v1(1300,760)
FLASH_SCK: U1.6 U$3.55 | length 543
  Top w8: U$3.55 1344.53,694.41 1379.53,729.41 1412.49,729.41 1436.54,753.46 1617.5,753.46 1652.83,718.13 1652.83,635.68 1679.01,609.5 U1.6
GND: C1.2 C2.5 C2.6 C2.7 C2.8 C3.2 C4.2 C5.2 C6.2 C7.2 C8.2 C9.2 C10.2 C11.2 C12.2 C13.2 C14.2 C15.2 C16.2 C17.2 CONN1.1 CONN1.MT1 CONN1.MT2 JP1.13 L.C LED1.4 R4.2 R5.1 R6.1 R8.2 R9.3 R9.5 R9.7 SW1.B SW1.B' U1.4 U2.2 U3.2 U$3.12 U$3.18 U$3.28 U$3.63 X1.1 X3.3 X3.5 X3.7 X3.9 X5.6 X5.CD1 X5.MT1 X5.MT2 X6.A1B12 X6.B1A12 | length 732.5
  Top w10: SW1.B' 495.71,314.69 C6.2 ; R9.7 864.25,666.75 865,667.5 865,682.5 880.75,698.25 R9.3 ; 1147.5,180 1177.24,180 1185.36,188.12 1185.36,213.91 U$3.18
  Top w12: X6.B1A12 265.98,329.02 306,289 SW1.B ; v1(742.5,652.5) 750,660 750,684.04 R8.2 ; R9.3 925.35,698.25 C5.2 ; R4.2 1701.54,227.5 1730.96,256.93 C16.2 ; v1(1755,765) 1805,715 C4.2
  Bottom w12: 1840,755 1885.75,709.25 X5.MT1
  other v1: 1805,137.5 1372.5,142.5 1695,142.5 450,192.5 737.5,192.5 1102.5,192.5 620,212.5 1857.5,235 980,257.5 742.5,275 1960,285 1932.5,355 1040,382.5 37.5,387.5 300,397.5 835,410 1205,462.5 465,472.5 770,490 1860,535 40,542.5 1380,555 855,597.5 295,605 565,615 1135,617.5 1080,697.5 572.5,722.5 780,750 1812.5,822.5 487.5,860
  other v2: 1555,660
  other v3: 407.5,115 595,350
MISO: JP1.4 U$3.35 | length 396.1
  Top w8: v1(1435,309.39) 1435,316.89 1449.84,331.73 U$3.35
  Bottom w8: v1(1435,309.39) 1420,294.39 1420,80 JP1.4
MOSI: JP1.5 U$3.36 | length 472.3
  Top w8: v1(1385.93,311.89) 1385.93,330.93 1406.42,351.42 U$3.36
  Bottom w8: JP1.5 1403.43,103.43 1403.43,286.89 1385.93,304.39 v1(1385.93,311.89)
N$1: CHG.C R2.1 | length 90
  Top w12: CHG.C 148.54,220 R2.1
N$2: L.A R7.2 | length 94.9
  Top w8: L.A 179.39,683.43 R7.2
N$3: R2.2 U3.1 | length 910.2
  Top w8: R2.2 270.46,139.54 v1(295,115) ; v1(670,480) 684.57,494.57 684.57,499.78 705.1,520.3 U3.1
  Bottom w8: v1(295,115) 280,130 280,376.71 271.16,385.55 271.16,436.16 343.5,508.5 641.5,508.5 v1(670,480)
N$4: R8.1 U3.5 | length 56.3
  Top w8: R8.1 705.1,693.94 U3.5
N$5: C2.4 U$3.3 X2.P$1 | length 227.7
  Top w8: C2.4 948.53,601.24 X2.P$1 1024.98,548.27 U$3.3
N$6: C2.2 U$3.5 Y1.3 | length 447.4
  Top w8: Y1.3 912.5,350.39 921.24,359.13 921.24,425.37 879.06,425.37 870.96,433.46 870.96,474.25 885.96,489.25 C2.2 910.98,489.25 929.63,470.6 1011.87,470.6 1050.17,508.9 U$3.5
N$7: C2.3 U$3.4 X2.P$2 | length 234
  Top w8: C2.3 953.01,520.75 974.38,499.38 X2.P$2@979.38,499.38 ; X2.P$2 X2.P$2@979.38,499.38 ; U$3.4 1024.54,528.58 989.4,493.44 989.4,504.4 984.38,499.38 X2.P$2@979.38,499.38
N$8: C2.1 U$3.6 Y1.1 | length 269.3
  Top w8: C2.1 928.46,453.82 952.48,429.8 Y1.1 957.09,395 960.31,395 1055.9,490.59 1089.21,490.59 U$3.6
PB03/I3/AIN11/SERCOM5.1: 
PB22/I6/SERCOM5.2: 
PB23/I7/SERCOM5.3: 
RX_D0: JP1.3 R10.2 U$3.30 | length 287.9
  Top w8: U$3.30 1423.27,176.73 1445,155 1510,155 ; R10.2 1522.5,167.5 1510,155 ; JP1.3 1550,115 1510,155
SCK: JP1.6 U$3.34 | length 505.3
  Top w8: v1(1325,290) 1337.95,277.05 1451.91,277.05 1486.91,312.05 U$3.34
  Bottom w8: JP1.6 1325,125 v1(1325,290)
SCL: CONN1.4 JP3.11 R1.2 U$3.58 | length 1398.8
  Top w8: U$3.58 1285.47,701.28 1267.5,719.25 1267.5,775 1297,804.5 1644.5,804.5 ; JP3.11 1650,810 1644.5,804.5 ; R1.2 1748.46,369.25 1768.27,389.06 CONN1.4 1840.65,389.06 v1(1878.39,351.32) ; v1(1799.44,766.94) 1799.44,781.85 1776.79,804.5 1644.5,804.5
  Bottom w8: v1(1799.44,766.94) 1796.77,766.94 1854.5,709.21 1854.5,658 1920.5,592 1920.5,387.04 1884.77,351.32 v1(1878.39,351.32)
SD_DETECT: U$3.33 X5.CD2 | length 307.8
  Top w8: U$3.33 1576.82,292.36 v1(1589.25,304.8)
  Bottom w8: X5.CD2 1423.76,378.61 1460.11,378.61 1548.71,290 1574.45,290 v1(1589.25,304.8)
SDA: CONN1.3 JP3.12 R1.1 U$3.59 | length 1735.5
  Top w8: U$3.59 1267.57,662.63 1267.57,635.82 1274.6,628.79 1330.66,628.79 1349.44,610 v1(1349.44,590) ; R1.1 1750.96,333.82 1766.83,349.69 CONN1.3 1815.32,349.69 v1(1895,270)
  Bottom w8: v1(1349.44,590) 1349.44,684.44 1452.5,787.5 1552.5,787.5 1570,805 1705,805 JP3.12 1764,864 1931,864 1965,830 1965,340 v1(1895,270)
SDIO_CLK: U$3.53 X5.5 | length 675.7
  Top w8: U$3.53 1383.9,689.41 1393.9,699.41 1427.45,699.41 1445,716.96 1518.39,716.96 v1(1528.73,706.62)
  Bottom w8: v1(1528.73,706.62) 1528.25,706.14 1528.25,641.75 1567.22,602.78 1567.22,502.22 1597.94,471.5 1682.48,471.5 1737.35,526.37 1776.37,526.37 X5.5
SDIO_CMD: U$3.54 X5.3 | length 873.9
  Top w8: U$3.54 1364.21,691.91 1386.71,714.41 1420.45,714.41 1442.5,736.46 1588.7,736.46 v1(1615,710.15)
  Bottom w8: v1(1615,710.15) 1625,700.15 1827.35,700.15 1837,690.5 1837,654.17 1903.17,588 1903.17,518.17 1840,455 1796.18,455 X5.3
SDIO_D0: U$3.39 X5.7 | length 398.5
  Top w8: U$3.39 1575.47,410.47 1596.82,431.82 1596.82,452.51 1658.49,514.18 v2(1658.49,521.18)
  Bottom w8: v2(1658.49,521.18) 1660.99,523.68 1660.99,586.18 1705.32,630.51 X5.7
SDIO_D1: U$3.40 X5.8 | length 443.2
  Top w8: U$3.40 1569.98,430.16 1579.82,440 1579.82,477.05 1617.3,514.54 v2(1617.3,517.7)
  Bottom w8: v2(1617.3,517.7) 1617.3,627.3 1663.82,673.82 X5.8
SDIO_D2: U$3.51 X5.1 | length 557.8
  Top w8: U$3.51 1423.27,616.73 1467.72,572.28 v1(1458.87,563.43)
  Bottom w8: v1(1458.87,563.43) 1461.37,563.43 1511.37,513.43 1511.37,481.13 1575,417.5 1575,418.17 1708.9,418.17 1756.4,370.67 X5.1
SDIO_D3: R1.3 U$3.52 X5.2 | length 751.7
  Top w8: U$3.52 1403.58,593.92 v1(1412.5,585) ; R1.3 1740.96,400.75 1753.46,413.25 1833.25,413.25 v1(1840,420)
  Bottom w8: v1(1412.5,585) 1418.24,585 1439.01,605.77 1463.73,605.77 1528.71,540.79 1528.71,487.83 1582.57,433.98 1758.15,433.98 X5.2 1833.98,413.98 v1(1840,420)
SWCLK: TP2.P$1 U$3.49 X3.4 | length 1532.1
  Top w8: v2(1273.29,494.21) 1275.79,496.71 1375.79,496.71 1401.67,522.58 1460.33,522.58 1488.71,550.97 1488.71,580.79 1463.73,605.77 1462.64,605.77 U$3.49
  Bottom w8: X3.4 527.83,280 565,280 587.5,257.5 587.5,179.05 634.05,132.5 792.5,132.5 807.5,147.5 1168.79,147.5 1250,228.71 1250,290 1229.47,310.53 1229.47,394.47 1270,435 TP2.P$1 1273.29,475.79 v2(1273.29,494.21)
SWDIO: TP1.P$1 U$3.46 X3.2 | length 1340.6
  Top w8: v1(1305,427.5) 1331.92,427.5 1410,505.58 1467.37,505.58 1508.27,546.49 1537.63,546.49 U$3.46
  Bottom w8: X3.2 522.83,217.5 622.83,117.5 800,117.5 815,132.5 1175,132.5 1265,222.5 1265,332.5 1270,337.5 TP1.P$1 1270,392.5 v1(1305,427.5)
TX_D1: JP1.2 U$3.29 | length 365.4
  Top w8: U$3.29 1403.58,167.38 1447.96,123 1493,123 v1(1495,125)
  Bottom w8: v1(1495,125) 1610,125 1650,85 JP1.2
V_DIV: C17.1 R9.1 R9.2 U$3.17 | length 893.4
  Top w8: v1(900,595) 900.96,595.96 R9.1 R9.2 ; C17.1 1055.96,191.59 1086.87,222.5 v1(1135,222.5) 1141.91,215.59 U$3.17
  Bottom w8: v1(900,595) 900,610 935,645 1047.5,645 1070,622.5 1070,484.7 1189.84,364.86 1189.84,274.84 1137.5,222.5 v1(1135,222.5)
VBAT: C3.1 JP3.1 Q3.3 R9.8 U3.3 X1.2 | length 941.7
  Top w12: X1.2 539.94,684.9 C3.1 ; JP3.1 625,825 625,697.4 C3.1 ; U3.3 779.9,577.18 783.86,581.14 ; R9.8 783.86,581.14 ; C3.1 650,684.9 680.27,654.63 680.27,616.76 715.6,581.44 759.13,581.44 759.42,581.14 783.86,581.14
  Top w16: Q3.3 401.87,421.87 420,440 420,485 469.37,534.37 X1.2
VBUS: CHG.A D4.A JP3.3 Q3.1 R9.6 U3.4 X6.A4B9 X6.B4A9 | length 1999.9
  Top w8: 210,535 X6.A4B9@224.49,549.49
  Top w12: CHG.A 65,220 137.5,292.5 137.5,360 97.5,400 97.5,520 130,552.5 172.5,552.5 190,535 210,535 ; X6.A4B9@224.49,549.49 X6.A4B9 ; U3.4 793.68,646.18 802.5,655 802.5,687.5 813.25,698.25 R9.6 848.25,698.25 865,715 865,835 JP3.3
  Top w16: X6.B4A9 272.72,360.51 290.1,343.13 Q3.1 350,350.53 350,455.33 D4.A 374.67,484.93 352.44,507.15 352.44,540.06 335,557.5 ; X6.A4B9 248.74,553.67 335,553.67 335,557.5 ; v1(477.5,812.5) 430,765 395,765 335,705 335,557.5
  Bottom w16: v1(477.5,812.5) 477.5,800 815,800 850,835 JP3.3
VCAP1: C9.1 U$3.31 | length 147.9
  Top w8: U$3.31 1442.95,182.05 1450,175 1480,175 1532.5,227.5 C9.1
VCAP2: C12.1 U$3.47 | length 77.7
  Top w8: U$3.47 1586.22,567.95 1603.37,585.1 C12.1
VHI: C6.1 D4.C Q3.2 R3.2 U2.1 | length 516
  Top w12: U2.1@632.6,392.4 670.2,430 756.54,430 R3.2
  Top w16: Q3.2 438.35,364.07 C6.1 470.3,380.3 500.33,410.33 ; D4.C 520.33,430.33 500.33,410.33 ; U2.1 U2.1@632.6,385 ; U2.1@632.6,392.4 U2.1@632.6,385 ; 500.33,410.33 607.26,410.33 U2.1@632.6,385
pads on no net: LED1.3 U2.4 U$3.2 U$3.14 U$3.15 U$3.16 U$3.26 U$3.27 U$3.41 U$5.1 U$31.P$1 U$32.P$1 U$34.1 U$35.1 U$37.1 X1.NC1 X1.NC2 X3.6 X3.8 X6.A8 X6.B8 X6.M1 X6.M2 X6.M3 X6.M4 Y1.2 Y1.4

## Polygon pours and split planes (outlines as drawn)
GND on Top "Polygon_1_Net_GND" (solid, remove dead copper, pour order 1): -4,904 2004,904 2004,-4 -4,-4
GND on Bottom "Polygon_2_Net_GND" (solid, remove dead copper, pour order 0): -4,904 2004,904 2004,-4 -4,-4

## Keep-outs
Keep-Out Layer:
  the board outline again, w0

## Silkscreen, mask and mechanical layers (free items; w line width, h text height)
Dimension:
  the board outline again, w0
tPlace:
  text "I2C" at 1803.43,158.93 h34

## Dimensions
1885,0 to 1890,330 on tFinish
0,670 to 430,760 on tFinish
1200,850 to 1000,50 on tFinish
140,0 to 175,450 on tFinish
145,0 to 205,900 on tFinish
1900,100 to 1900,800 on tFinish
55,95 to 150,95 on tFinish
1900,850 to 1905,750 on tFinish
0,770 to 650,850 on tFinish
100,100 to 1900,100 on tFinish
0,740 to 2000,580 on tFinish

## Text inside footprints (layer, text, board x,y; h text height)
CHG: tDocu "C" at 142.24,223.94 h8.5 r270; tDocu "A" at 39.88,223.94 h8.5 r270
CONN1: Top Value "JST SH 4" at 2047.72,198.9 h34 r90
D+: Bottom 3D Body ">TP_SIGNAL_NAME" at 125,425 h33.46
D-: Bottom 3D Body ">TP_SIGNAL_NAME" at 125,325 h33.46
L: tDocu "C" at 56.89,679.49 h8.5 r90; tDocu "A" at 159.25,679.49 h8.5 r90
U$13: tPlace ">REV" at 214,442.5 h34